# Altium PCB YarnControl_Mainboard_v1.5.PcbDoc (continued)
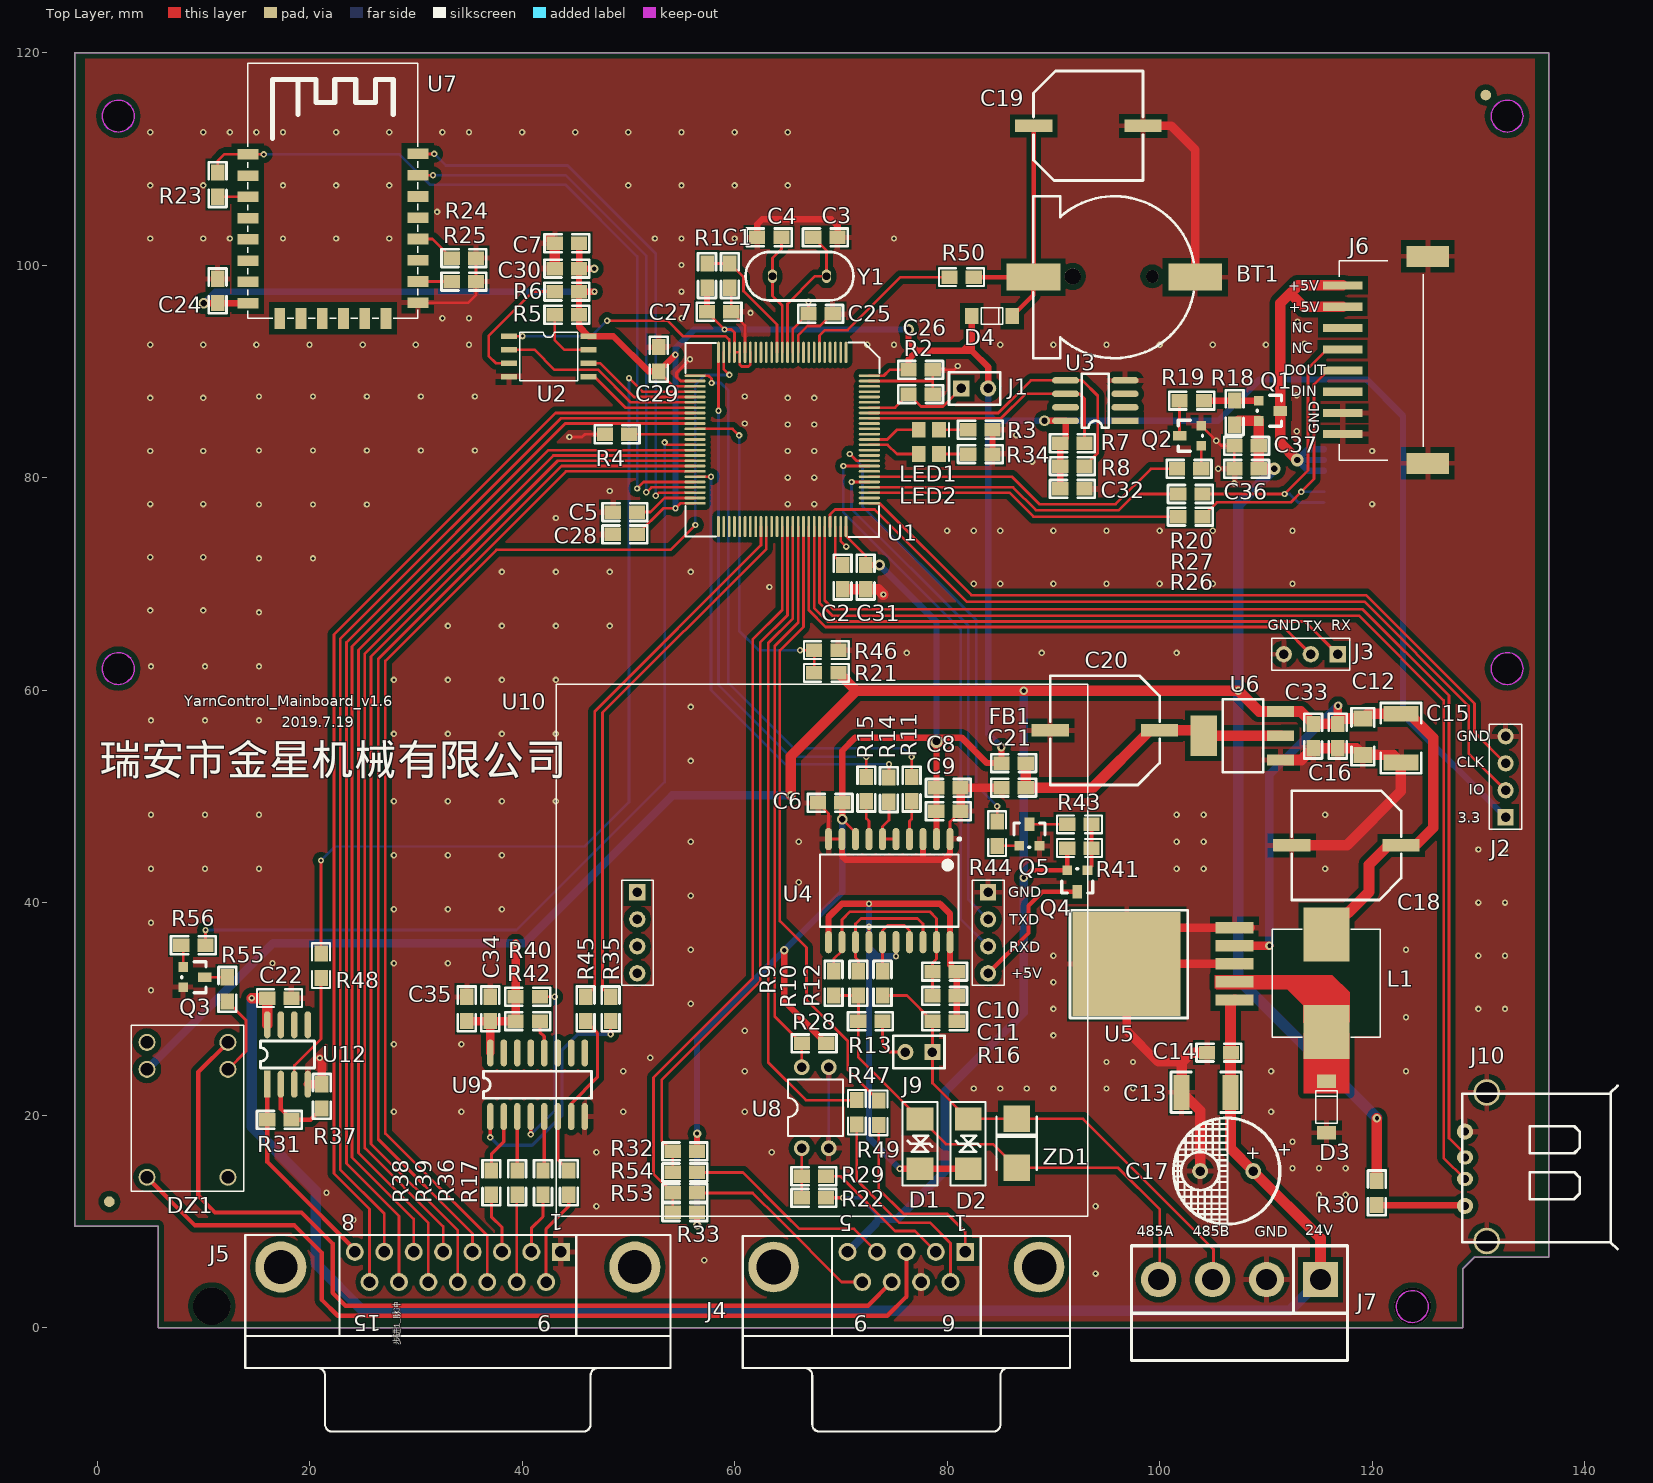
[diagram p0: Top Layer view]
## Via types
v1: diameter 0.6, hole 0.3, Top Layer to Bottom Layer, 284 vias
v2: diameter 0.8, hole 0.4, Top Layer to Bottom Layer, 12 vias
v3: diameter 1, hole 0.6, Top Layer to Bottom Layer, 5 vias
v4: diameter 1.2, hole 0.6, Top Layer to Bottom Layer, 2 vias
v5: diameter 1.27, hole 0.711, Top Layer to Bottom Layer, 1 vias

## Nets (pads, with @x,y where several pads share a name; then routed paths per layer and width w, separated by ;. In a path a pad name is that pad's centre, name@x,y a point inside that pad or via, vN(x,y) a via of type N, cw(c..) or ccw(c..) an arc to the next point about the centre after c; other vN are vias at no path point)
485_DE: R14.1 U1.45 | length 42.5
  Top Layer w0.254: U1.45 v1(57.784,80.085) ; R14.1 v1(74.53,53.016)
  Bottom Layer w0.254: v1(57.784,80.085) 57.784,60.022 64.789,53.016 v1(74.53,53.016)
485_RX: R11.1 U1.26 | length 55.5
  Top Layer w0.254: U1.26@55.461,89.585 U1.26 ; 57.29,89.585 U1.26 ; v1(57.836,88.9) 57.836,89.306 57.557,89.585 U1.26 ; R11.1@76.664,52.026 R11.1 v1(76.664,53.714)
  Bottom Layer w0.254: v1(57.836,88.9) 58.699,88.9 59.411,88.189 59.411,60.681 65.557,54.534 75.844,54.534 v1(76.664,53.714)
485_TX: R15.1 U1.25 | length 51.2
  Top Layer w0.254: v1(58.484,86.284) U1.25 U1.25@58.484,90.945 ; R15.1@71.984,52.07 R15.1@72.397,52.07 ; R15.1 R15.1@72.397,52.07 ; v1(72.397,53.721) R15.1@72.397,52.07
  Bottom Layer w0.254: v1(58.484,86.284) 58.484,60.49 65.253,53.721 v1(72.397,53.721)
+3.3V: C6.2 C7.2 C8.2 C9.2 C24.2 C25.2 C26.2 C27.2 C28.2 C29.2 C30.2 C31.2 C32.2 D4.1 FB1.2 J1.2 J2.1 R1.2 R5.1 R6.2 R7.2 R8.2 R28.1 R32.1 R33.1 U1.11 U1.19 U1.21 U1.22 U1.28 U1.50 U1.75 U1.100 U2.8 U3.8 U4.2 U4.8 U7.8 | length 407
  Top Layer w0.254: C28.2 53.289,77.114 v1(54.439,77.114) 54.909,77.585 U1.50 ; C29.2 54.265,88.585 U1.28 ; C27.2 57.404,95.587 v1(59.055,93.936) 59.683,93.936 59.984,93.635 U1.22 U1.21 60.484,90.621 60.655,90.449 61.29,90.449 61.484,90.643 U1.19 ; U1.11 65.484,93.983 C25.2@66.929,95.428 ; C25.2 v1(66.954,96.545) ; v3(70.129,47.854) 71.381,46.602 U4.8 ; 70.129,51.841 70.136,51.835 C6.2 ; U1.75 70.484,74.516 72.333,72.667 C31.2 ; U1.100 74.04,89.585 74.593,90.138 C26.2
  Top Layer w0.6: v3(10.033,96.418) C24.2 ; C24.2@11.355,96.418 U7.8 ; C30.2@45.364,99.67 C7.2 ; v2(46.787,99.663) C30.2 R6.2 ; v1(46.819,97.504) R6.2 ; 47.149,93.313 U2.8 ; v1(54.432,91.567) C29.2 51.892,89.992 48.571,93.313 U2.8 ; v2(56.464,9.627) R33.1 ; R32.1 v2(56.464,18.263) ; C27.2 R1.2 ; v2(64.669,35.51) 64.669,30.708 67.132,28.245 R28.1 ; v3(70.129,47.854) C6.2@70.129,49.391 ; C6.2 C6.2@70.129,49.391 ; C31.2 v3(73.641,71.774) ; C26.2 76.371,91.129 77.191,91.948 ; v3(76.371,93.936) 76.371,92.767 77.191,91.948 ; v5@78.994,55.538 v5@79.001,55.531 ; U4.2 v5@79.001,54.686 ; 81.483,91.948 82.321,92.786 ; D4.1 82.321,92.786 ; J1.2 83.864,90.405 82.321,91.948 ; v2(85.115,54.61) FB1.2 83.744,53.137 81.35,55.531 79.756,55.531 ; v3(89.161,85.337) U3.8 91.154,83.737 R7.2 R8.2 C32.2 ; R6.2 R5.1 45.358,94.218 U2.8 ; C6.2@70.129,49.391 70.129,51.841 70.129,54.305 71.355,55.531 78.156,55.531 ; 77.191,91.948 82.321,91.948 ; 78.156,55.531 v5@79.001,54.686 ; 78.156,55.531 v5@79.001,55.531 ; v5@79.001,54.686 v5(79.001,55.201) v5@79.001,55.531 ; v5@79.001,54.686 79.756,55.442 79.756,55.531 ; v5@79.001,55.531 79.756,55.531 ; 82.321,91.948 82.321,92.786
  Bottom Layer w0.254: 66.478,93.936 66.954,94.412 ; 66.954,93.936 66.954,94.412 ; v1(66.954,96.545) 66.954,94.412 ; 67.43,93.936 66.954,94.412
  Bottom Layer w0.6: v3(10.033,96.418) 11.119,97.504 v1(46.819,97.504) ; v1(54.439,77.114) 54.439,92.183 56.191,93.936 v1(59.055,93.936) 66.478,93.936 66.954,93.936 67.43,93.936 v3(76.371,93.936) ; v2(56.464,9.627) 56.464,27.305 70.129,40.97 v3(70.129,47.854) ; v3(73.641,71.774) 79.001,66.414 v5@79.001,55.531 ; J1.2 83.864,86.004 ; 83.947,85.337 84.531,85.337 ; v2(85.115,54.61) 83.864,55.861 83.864,84.67 ; J2.1 122.911,57.683 122.911,85.801 119.482,89.23 109.398,89.23 105.505,85.337 v3(89.161,85.337) 84.531,85.337 ; 83.864,84.67 84.531,85.337 ; 83.864,84.67 83.864,86.004 ; 83.864,86.004 84.531,85.337
+5V: C12.2 C15.2 C16.2 C18.1 C33.2 C34.2 C35.2 C36.2 C37.2 DZ1.2 J4.5 L1.1 Q1.S Q4.S R18.1 R21.2 R22.1 R30.1 R40.2 R41.1 R42.1 U5.4 U6.3 U9.16 | length 367.6
  Top Layer w0.3: R22.1 v1(70.206,12.217) ; Q4.S Q4.S@91.313,43.066
  Top Layer w0.4: v2(87.224,42.342) 87.935,43.053 Q4.S 91.3,45.123 R41.1
  Top Layer w0.8: C35.2 C34.2 ; U9.16 C34.2 ; v1(39.395,36.17) R40.2 R42.1 C34.2 ; U5.4 v2(110.338,35.941) ; C16.2@116.764,57.328 v2@116.764,58.496
  Top Layer w1: v2(65.278,50.089) 65.278,53.772 71.45,59.944 ; R21.2 71.45,59.944 ; R18.1 107.429,85.331 Q1.S C37.2 C36.2 v4(110.795,80.823) ; L1.1 119.71,40.996 119.71,43.561 121.539,45.39 C18.1 124.104,45.39 125.755,47.041 125.755,55.499 123.481,57.774 C15.2 119.572,57.774 C12.2 116.764,57.328 C16.2 C33.2 113.284,57.988 U6.3 109.372,57.988 v2(107.417,59.944) v2(87.224,59.944) 71.45,59.944 ; R30.1 v2(120.447,19.71)
  Bottom Layer w0.3: v1(70.206,12.217) 71.805,12.217 73.304,10.718 ; 73.304,9.805 73.304,10.718 ; 73.761,10.262 73.304,10.718
  Bottom Layer w0.8: DZ1.2 16.586,36.195 40.259,36.195 54.153,50.089 v2(65.278,50.089) ; J4.5 73.304,9.805 ; 73.761,10.262 75.362,10.262 79.781,14.681 79.781,22.2 87.224,29.642 v2(87.224,42.342) v2(87.224,59.944) ; v2(110.338,35.941) 110.338,52.07 v2(116.789,58.522)
  Bottom Layer w1: v4(110.795,80.823) 107.417,77.445 v2(107.417,59.944) 107.417,32.766 v2@120.459,19.723
+24V: C13.2 C14.2 C17.1 C22.2 J7.1 U5.1 U12.8 | length 159
  Top Layer w1: v1(14.554,31.013) C22.2 U12.8 ; U5.1 106.669,30.445 C13.2 106.669,16.877 C17.1 115.138,8.407 J7.1
  Bottom Layer w1: v1(14.554,31.013) 14.554,18.923 20.587,12.89 20.587,6.032 25.019,1.6 112.217,1.6 J7.1
ADC_POWER: R21.1 R46.2 U1.36 | length 32.7
  Top Layer w0.254: U1.36 59.814,84.585 v1(60.427,83.972) ; v1(66.167,63.754) R46.2 R21.1
  Bottom Layer w0.254: v1(60.427,83.972) 60.427,65.583 62.255,63.754 v1(66.167,63.754)
ANALOG_OUT1: J5.8 R31.1 U12.1 | length 29.7
  Top Layer w0.254: U12.1 R31.1 16.027,15.596 18.288,13.335
  Top Layer w0.4: U12.1 16.027,15.596 18.288,13.335 24.258,7.365 J5.8
BOOT0: J1.1 R2.1 U1.94 | length 10.4
  Top Layer w0.254: U1.94 75.104,86.585 R2.1 77.54,86.684 79.622,86.684 J1.1
BOOT1: R4.1 U1.37 | length 6.2
  Top Layer w0.254: R4.1@50.089,84.085 U1.37
CLOSE_SW: R28.2 U1.66 U8.4 | length 52.8
  Top Layer w0.254: U1.66 65.984,66.34 63.779,64.135 63.779,29.896 63.779,29.261 66.319,26.721 U8.4
CLOSE_SW_IN: J4.2 R29.2 | length 13.3
  Top Layer w0.254: R29.2 69.952,14.249 75.108,9.093 76.974,9.093 J4.2
DAC_OUT1: R48.2 U1.29 | length 86.6
  Top Layer w0.254: R48.2 v1(21.082,43.967) ; v1(50.063,89.357) 51.336,88.085 U1.29
  Bottom Layer w0.254: v1(21.082,43.967) 22.375,45.265 45.923,45.314 50.063,49.454 v1(50.063,89.357)
ENCODER_B: R32.2 R54.2 U1.64 | length 66.1
  Top Layer w0.254: R54.2 R32.2 53.137,17.628 53.137,23.317 62.408,32.588 62.408,64.465 64.984,67.041 U1.64
ENCODER_C: R33.2 R53.2 U1.63 | length 70.3
  Top Layer w0.254: R33.2 R53.2 52.375,14.478 52.375,23.546 61.697,32.868 61.697,64.749 64.484,67.536 U1.63
FLASH_SPI_MISO: U1.31 U2.2 | length 19.6
  Top Layer w0.254: U2.2 41.167,92.043 43.072,90.138 47.174,90.138 50.228,87.085 U1.31
FLASH_SPI_MOSI: U1.32 U2.5 | length 11.2
  Top Layer w0.254: U2.5 46.793,89.503 49.712,86.585 U1.32
FLASH_SPI_NSS: U1.23 U2.1 | length 23.3
  Top Layer w0.254: U2.1 v1(40.037,93.313) ; v1(48.006,94.767) 53.696,94.767 55.169,93.294 59.182,93.294 59.484,92.992 U1.23
  Bottom Layer w0.254: v1(40.037,93.313) 46.552,93.313 v1(48.006,94.767)
FLASH_SPI_SCK: U1.30 U2.6 | length 11.3
  Top Layer w0.254: U2.6 47.352,90.773 50.54,87.585 U1.30
GND: BT1.2 C1.1 C2.1 C3.2 C4.2 C5.2 C6.1 C7.1 C8.1 C9.1 C12.1 C13.1 C14.1 C15.1 C16.1 C17.2 C18.2 C19.2 C20.2 C21.1 C22.1 C24.1 C25.1 C26.1 C27.1 C28.1 C29.1 C30.1 C31.1 C32.1 C33.1 C34.1 C35.1 C36.1 C37.1 D3.1 J2.4 J3.3 J4.7 J5.1 J6.7 J6.8 J6.9 J6.10 J7.2 J8.8 J8.9 J8.10 J8.11 J8.12 J10.4 J10.5 J10.6 Q2.3 Q3.3 Q5.3 R2.2 R3.2 R4.2 R24.2 R25.2 R34.2 R37.2 R46.1 U1.10 U1.20 U1.27 U1.74 U1.99 U2.4 U3.4 U4.1 U4.3 U4.9 U4.10 U5.0 U5.3 U5.5 U6.1 U7.15 U8.2 U8.3 U9.8 U10.1 U12.4 | length 203.7
  Top Layer w0.254: U7.15 34.939,96.458 35.662,97.18 R25.2 R24.2 ; v1(44.45,83.82) 45.644,83.82 45.898,84.074 R4.2 ; v1(55.804,91.135) 54.534,89.865 54.534,89.484 54.933,89.085 U1.27 ; C1.1@59.69,97.726 C27.1 60.984,94.312 U1.20 U1.20@60.984,92.749 ; U1.10 65.984,93.391 66.853,94.259 68.047,94.259 C25.1@68.675,94.888 ; C6.1 68.841,48.394 U4.10 U4.9 ; U1.74 69.984,74.016 v1(70.5,73.5) ; U1.99 78.657,89.085 ; R2.2 C26.1 80.638,90.138 v1(81,90.5) ; U4.1 80.271,47.606 C9.1 ; Q2.3 105.816,82.982 C37.1 C36.1
  Top Layer w0.6: C4.2 62.122,103.829 62.611,104.318 69.088,104.318 69.691,103.715 C3.2 ; U4.9 70.111,44.393 70.46,44.044 79.731,44.044 80.271,44.584 U4.1 ; 77.731,44.062 U4.3 ; R34.2 R3.2
  Top Layer w0.8: U12.4 R37.2 21.158,25.171 v1(20.955,25.375) ; C9.1 C8.1 85.088,50.798 C21.1 ; U5.0 96.902,27.939 99.861,24.98 102.069,24.98 ; C19.2 101.092,113.106 103.353,110.846 BT1.2 ; U5.3 96.928,34.239 100.331,37.643 U5.5 U5.5@108.585,37.643
  Top Layer w1: C7.1@42.659,102.464 43.072,102.051 C30.1 ; C2.1 C31.1 73.512,69.488 v1(74,69) ; C17.2 103.814,20.404 C13.1 102.069,24.98 102.972,25.883 C14.1 ; U6.1 113.335,53.416 C33.1 118.491,54.534 C12.1 121.982,53.899 C15.1 122.707,50.47 117.627,45.39 C18.2
  Bottom Layer w0.254: U8.2 U8.3
  other v1: 93.98,5.08 57.15,6.35 24.13,10.16 46.99,11.43 93.98,11.43 115,12.5 117.5,12.5 21.59,12.7 112.5,15 115,15 117.5,15 46.99,16.51 63.5,16.51 112.5,17.5 27.94,20.32 34.29,20.32 49.53,20.32 60.96,20.32 110.49,20.32 82.5,22.5 85,22.5 87.5,22.5 90,22.5 95,22.5 97.5,22.5 49.53,24.13 60.96,24.13 110.49,24.13 123.19,24.13 95,25 97.5,25 52.07,25.4 27.94,26.67 34.29,26.67 90,27.5 60.96,27.94 123.19,29.21 90,30 130,30 132.5,30 55.88,30.48 5.08,31.75 90,32.5 16.51,34.29 27.94,34.29 33.02,34.29 90,35 130,35 132.5,35 55.88,35.56 123.19,35.56 5.08,38.1 27.94,39.37 33.02,39.37 38.1,39.37 130,40 132.5,40 55.88,40.64 66.04,41.91 5.08,43.18 10.16,43.18 15.24,43.18 101.6,43.18 104.14,43.18 115.57,43.18 27.94,44.45 33.02,44.45 38.1,44.45 130,45 132.5,45 55.88,45.72 66.04,45.72 101.6,45.72 104.14,45.72 5.08,48.26 10.16,48.26 15.24,48.26 101.6,48.26 104.14,48.26 115.57,48.26 27.94,49.53 33.02,49.53 38.1,49.53 43.18,49.53 55.88,53.34 27.94,55.88 33.02,55.88 38.1,55.88 43.18,55.88 5.08,57.15 10.16,57.15 15.24,57.15 55.88,58.42 27.94,60.96 33.02,60.96 38.1,60.96 43.18,60.96 5.08,62.23 10.16,62.23 15.24,62.23 76.2,63.5 88.9,63.5 101.6,63.5 33.02,66.04 38.1,66.04 43.18,66.04 48.26,66.04 15.24,67.31 5,67.5 10,67.5 63.271,69.698 82.5,70 85,70 90,70 95,70 100,70 105,70 112.5,70 38.1,71.12 43.18,71.12 48.26,71.12 55.88,71.12 15.24,72.39 20.32,72.39 5,72.5 10,72.5 80,75 82.5,75 85,75 90,75 95,75 100,75 105,75 112.5,75 43.18,76.2 15.24,77.47 20.32,77.47 25.4,77.47 5,77.5 10,77.5 65,77.5 67.5,77.5 120,77.5 48.26,78.74 107.036,79.451 65,80 67.5,80 105.512,80.823 88,81.5 5,82.5 10,82.5 65,82.5 67.5,82.5 120,82.5 15.24,82.55 20.32,82.55 25.4,82.55 30.48,82.55 35.56,82.55 105.326,83.473 86.5,84 112.903,84.353 65,85 67.5,85 60.96,85.09 5,87.5 10,87.5 65,87.5 67.5,87.5 15.24,87.63 20.32,87.63 25.4,87.63 30.48,87.63 35.56,87.63 60.96,87.63 112.903,87.732 5,92.5 10,92.5 15,92.5 20,92.5 25,92.5 30,92.5 35,92.5 72.5,92.5 75,92.5 85,92.5 90,92.5 95,92.5 100,92.5 105,92.5 110,92.5 113.64,92.608 112.979,94.666 32.5,95 35,95 55,95 61.5,95.5 55,97.5 55,100 5,102.5 10,102.5 12.5,102.5 17.5,102.5 22.5,102.5 27.5,102.5 52.5,102.5 55,102.5 60,102.5 75,102.5 32,105 5,107.5 10,107.5 17.5,107.5 22.5,107.5 27.5,107.5 50,107.5 55,107.5 60,107.5 65,107.5 5,112.5 10,112.5 12.5,112.5 15,112.5 17.5,112.5 22.5,112.5 27.5,112.5 32.5,112.5 35,112.5 40,112.5 45,112.5 50,112.5 55,112.5 60,112.5 65,112.5
GND-485: C10.1 C11.1 D1.1 D2.1 R16.1 U4.11 U4.14 U4.16 U4.20 | length 65.2
  Top Layer w0.254: U4.14 v1(72.651,37.738) ; v1(75.191,34.944) U4.16
  Top Layer w0.6: U4.11 68.841,38.64 70.104,39.903 79.324,39.903 80.271,38.957 U4.20 80.271,34.144 C10.1 C11.1 R16.1 ; v1(75.546,14.954) D1.1 D2.1
  Bottom Layer w0.6: 72.651,34.138 73.457,34.944 ; 72.651,35.75 73.457,34.944 ; v1(72.651,39.897) v1(72.651,37.738) 72.651,17.85 v1(75.546,14.954) ; 72.708,34.944 73.457,34.944 ; v1(75.191,34.944) 73.457,34.944
IIC1_SCL: R7.1 U1.92 U3.6 | length 25.6
  Top Layer w0.254: U1.92 85.077,85.585 87.369,87.877 U3.6 92.475,87.877 92.932,87.42 R7.1
IIC1_SDA: R8.1 U1.93 U3.5 | length 30.5
  Top Layer w0.254: U1.93 84.815,86.085 87.877,89.147 U3.5 92.729,89.147 94.177,87.7 94.177,82.328 R8.1
LCD_5V: J6.1 J6.2 J8.1 J8.2 J8.3 Q1.D | length 35.8
  Top Layer w1: v4(112.963,81.652) 111.354,83.261 Q1.D 111.354,96.418 112.293,97.358 ; J6.2 113.576,96.075 112.293,97.358 ; J6.1 113.017,98.082 112.293,97.358
  Bottom Layer w0.6: J8.3 113.963,80.652 v4(112.963,81.652) ; J8.2 v4(112.963,81.652) ; J8.1 113.963,82.652 v4(112.963,81.652)
LCD_POWER: R20.1 U1.81 | length 31.4
  Top Layer w0.254: U1.81 86.082,80.085 88.671,77.495 95.86,77.495 99.187,80.823 R20.1
LCD_RXD: R27.2 U1.79 | length 30.6
  Top Layer w0.254: U1.79 86.218,79.085 88.367,76.937 96.164,76.937 97.682,78.454 R27.2
LCD_TXD: R26.2 U1.78 | length 30
  Top Layer w0.254: U1.78 85.855,78.585 88.119,76.32 R26.2
LED1: LED1.1 U1.88 | length 5
  Top Layer w0.254: U1.88 74.365,83.585 75.279,84.499 LED1.1
LED2: LED2.1 U1.87 | length 5
  Top Layer w0.254: U1.87 74.407,83.085 75.279,82.213 LED2.1
NetBT1_1: BT1.1 C19.1 D4.2 R50.1 | length 24.4
  Top Layer w0.254: BT1.1 BT1.1@88.151,98.895
  Top Layer w0.4: R50.1 BT1.1 88.113,97.18 D4.2 ; BT1.1@88.151,98.895 C19.1
NetC2_2: C2.2 U1.73 | length 3.9
  Top Layer w0.254: U1.73 69.484,72.463 C2.2
NetC5_1: C5.1 U1.49 | length 6
  Top Layer w0.254: C5.1 52.095,76.759 53.421,78.085 U1.49
NetC20_1: C20.1 C21.2 FB1.1 U6.0 U6.2 | length 57.5
  Top Layer w0.8: FB1.1 C21.2 93.726,50.825 99.111,56.21 103.645,56.21 U6.0 U6.2
  Top Layer w1: FB1.1 C21.2 93.726,50.825 99.111,56.21 103.645,56.21 U6.0 U6.2
NetD3_2: D3.2 L1.2 U5.2
NetDZ1_5: DZ1.5 R55.2 | length 7.8
  Top Layer w0.254: R55.2 14.021,28.931 14.021,26.01 DZ1.5
NetJ4_4: J4.4 R54.1 | length 20
  Top Layer w0.254: R54.1 60.782,14.605 64.77,10.617 66.091,9.296 71.23,9.296 J4.4
NetJ4_9: J4.9 R53.1 | length 19
  Top Layer w0.254: R53.1 61.697,12.675 64.166,10.205 70.082,4.289 J4.9
NetJ6_4: J6.4 J8.6 R27.1 | length 28.5
  Top Layer w0.254: R27.1 v1(111.76,78.454) 113.97,80.664 113.97,90.272 115.76,92.062 J6.4
  Bottom Layer w0.254: v1(111.76,78.454) 112.243,78.454 113.045,77.652 J8.6
NetJ6_5: J6.5 J8.5 R26.1 | length 26.3
  Top Layer w0.254: R26.1 105.398,77.673 112.343,77.673 v1(113.322,78.652) 114.529,79.859 114.529,88.773 115.837,90.081 J6.5
  Bottom Layer w0.254: v1(113.322,78.652) J8.5
NetJ9_2: J9.2 R13.1 | length 4.7
  Top Layer w0.254: R13.1 73.921,26.613 74.6,25.933 J9.2
NetJ10_1: J10.1 R30.2 | length 8.3
  Top Layer w0.6: R30.2 J10.1@128.737,11.532
NetLED1_2: LED1.2 R3.1 | length 2.8
  Top Layer w0.254: LED1.2 R3.1
NetLED2_2: LED2.2 R34.1 | length 2.8
  Top Layer w0.254: LED2.2 R34.1
NetQ1_G: Q1.G R18.2 R19.2 | length 10.3
  Top Layer w0.254: R19.2 R18.2 109.309,87.249 Q1.G
  Top Layer w0.6: R19.2@104.178,87.236 107.061,87.236 Q1.G
NetQ2_1: Q2.1 R19.1 | length 3.3
  Top Layer w0.254: Q2.1 R19.1
NetQ2_2: Q2.2 R20.2 | length 2.2
  Top Layer w0.254: R20.2 Q2.2
NetQ3_1: Q3.1 R55.1 | length 2.1
  Top Layer w0.254: Q3.1 R55.1
NetQ3_2: Q3.2 R56.1 | length 1.9
  Top Layer w0.254: Q3.2 R56.1@8.103,35.814
NetQ4_G: Q4.G R41.2 R43.2 | length 6.2
  Top Layer w0.254: Q4.G@93.599,43.447 R41.2
  Top Layer w0.4: Q4.G 93.599,43.447 R41.2 R43.2
NetQ5_1: Q5.1 R43.1 | length 3.6
  Top Layer w0.254: Q5.1 R43.1
NetQ5_2: Q5.2 R44.2 | length 2.1
  Top Layer w0.254: R44.2 Q5.2
NetR5_2: R5.2 U2.7 | length 5.9
  Top Layer w0.254: R5.2 43.072,92.932 43.961,92.043 U2.7
NetR6_1: R6.1 U2.3 | length 12
  Top Layer w0.254: U2.3 37.522,90.773 36.855,91.44 36.855,93.32 41.04,97.504 R6.1
NetR10_1: R10.1 U4.13 U4.18 | length 13.1
  Top Layer w0.254: R10.1 71.66,34.551 71.381,34.83 U4.13 71.381,38.005 71.889,38.513 77.223,38.513 77.731,38.005 U4.18
NetR11_2: R11.2 U4.4 | length 3.6
  Top Layer w0.254: U4.4 76.461,47.657 76.664,47.86 R11.2
NetR12_1: R12.1 U4.15 U4.17 | length 7.9
  Top Layer w0.254: R12.1 U4.15 73.921,37.37 74.429,37.878 75.953,37.878 76.461,37.37 U4.17
NetR14_2: R14.2 U4.5 U4.6 | length 5
  Top Layer w0.254: R14.2 74.53,47.759 73.921,47.149 U4.6 U4.5
NetR15_2: R15.2 U4.7 | length 3.7
  Top Layer w0.254: R15.2 72.397,47.911 72.651,47.657 U4.7
NetR17_1: R17.1 U9.6 | length 5.5
  Top Layer w0.3: U9.6 43.358,15.824 R17.1
NetR22_2: R22.2 R29.1 U8.1 | length 4.7
  Top Layer w0.254: R22.2 R29.1 U8.1
NetR23_2: R23.2 U7.3 | length 2.8
  Top Layer w0.254: R23.2@11.362,106.418 U7.3
NetR24_1: R24.1 U7.18 | length 3.9
  Top Layer w0.254: U7.18 31.578,102.458 R24.1
NetR25_1: R25.1 U7.16 | length 3.1
  Top Layer w0.254: U7.16 R25.1@33.343,98.458
NetR31_2: R31.2 R37.1 U12.2 | length 14.1
  Top Layer w0.254: U12.2 17.297,20.574 R31.2 20.091,19.558 R37.1
  Top Layer w0.4: U12.2 17.297,20.574 R31.2 20.091,19.558 R37.1
NetR35_1: R35.1 U9.1 | length 22.8
  Top Layer w0.3: v1(37.008,17.907) U9.1 ; v1(48.336,27.61) R35.1
  Bottom Layer w0.3: v1(37.008,17.907) 37.744,17.17 40.945,17.17 43.764,19.99 43.764,26.137 45.237,27.61 v1(48.336,27.61)
NetR36_1: R36.1 U9.5 | length 5.1
  Top Layer w0.3: R36.1 42.088,14.901 U9.5
NetR38_1: R38.1 U9.2 | length 5.6
  Top Layer w0.3: R38.1 37.109,16.332 38.278,17.501 U9.2
NetR39_1: R39.1 U9.3 | length 5.1
  Top Layer w0.3: R39.1@39.548,14.791 U9.3
NetR40_1: R40.1 U9.4 | length 17
  Top Layer w0.254: R40.1 v1(43.078,31.14)
  Top Layer w0.3: v1(40.818,18.186) U9.4
  Bottom Layer w0.254: v1(40.818,18.186) 43.078,20.447 v1(43.078,31.14)
NetR42_2: R42.2 U9.12 | length 3.2
  Top Layer w0.3: R42.2 41.681,27.813 42.088,27.407 U9.12
NetR45_1: R45.1 U9.7 | length 10.5
  Top Layer w0.3: U9.7 44.628,21.082 47.092,23.546 47.092,27.737 R45.1
NetR48_1: R48.1 U12.3 | length 11
  Top Layer w0.254: U12.3 18.567,24.663 21.082,27.178 R48.1
NetR50_2: R50.2 U1.6 | length 16.1
  Top Layer w0.254: U1.6 67.984,93.359 68.504,93.878 70.637,93.878 75.616,98.857 R50.2
NRST: C1.2 R1.1 U1.14 | length 12.3
  Top Layer w0.254: R1.1 59.55,100.152 C1.2 60.833,98.869 60.833,97.548 63.984,94.397 U1.14
ONOFF: R47.1 U1.65 | length 61.2
  Top Layer w0.254: U1.65 65.484,66.754 63.17,64.44 63.17,24.968 66.726,21.412 R47.1
ONOFF1: R49.1 U1.67 | length 58.8
  Top Layer w0.254: U1.67 66.484,65.951 64.262,63.729 64.262,38.278 66.777,35.763 66.777,30.836 70.663,26.949 70.663,24.257 R49.1
OSC_IN: C3.1 U1.12 Y1.2 | length 13.5
  Top Layer w0.254: U1.12 64.984,96.353 67.583,98.952 Y1.2 68.65,101.365 C3.1
OSC_OUT: C4.1 U1.13 Y1.1 | length 11.6
  Top Layer w0.254: C4.1 64.408,101.492 63.57,100.654 Y1.1 63.57,97.098 64.484,96.183 U1.13
OUT_SERVO_PD+: J5.3 R38.2 | length 5.8
  Top Layer w0.3: R38.2 37.109,10.439 38.108,9.441 J5.3
OUT_SERVO_PD-: J5.10 R39.2 | length 8.2
  Top Layer w0.254: J5.10 39.493,12.451 R39.2
OUT_SERVO_PP+: J5.9 R17.2 | length 9.1
  Top Layer w0.3: J5.9 42.263,9.294 44.399,11.43 R17.2
OUT_SERVO_PP-: J5.2 R36.2 | length 5.8
  Top Layer w0.3: J5.2 40.878,9.357 41.969,10.448 R36.2
RELAY1: DZ1.6 J4.8 | length 88.8
  Top Layer w0.4: DZ1.6 9.525,24.054 9.525,12.421 11.1,10.846 19.253,10.846 22.174,7.925 22.174,3.277 23.393,2.057 72.552,2.057 J4.8
RELAY2: DZ1.3 J4.3 | length 84.4
  Top Layer w0.4: DZ1.3 9.22,9.627 18.567,9.627 21.158,7.036 21.158,2.616 22.657,1.118 74.371,1.118 76.168,2.914 J4.3
RELAY_CTR: R56.2 U1.39 | length 85.3
  Top Layer w0.254: R56.2 v1(10.211,37.414) ; v1(53.416,83.312) 53.643,83.085 U1.39
  Bottom Layer w0.254: v1(10.211,37.414) 39.472,37.414 53.416,51.359 v1(53.416,83.312)
RFID_5V: Q4.D U10.4 | length 13.1
  Top Layer w0.4: U10.4 87.655,37.146 87.655,39.7 88.976,41.021 Q4.D
RFID_POWER: R44.1 U1.84 | length 42.4
  Top Layer w0.254: v1(70.841,82.22) 71.476,81.585 U1.84 ; R44.1 v1(84.709,49.073)
  Bottom Layer w0.254: v1(70.841,82.22) 72.034,81.026 72.034,77.292 82.753,66.573 82.753,51.029 v1(84.709,49.073)
RFID_RXD: U1.83 U10.3 | length 53.3
  Top Layer w0.254: v1(70.239,81.085) U1.83
  Bottom Layer w0.254: v1(70.239,81.085) 70.239,76.725 81.28,65.684 81.28,38.47 U10.3
RFID_TXD: U1.80 U10.2 | length 48.1
  Top Layer w0.254: v1(71.012,79.585) U1.80
  Bottom Layer w0.254: v1(71.012,79.585) 71.012,77.045 81.991,66.065 81.991,40.299 U10.2
RS485_A: D1.2 J7.4 R9.1 R10.2 R13.2 ZD1.1 | length 49
  Top Layer w0.254: R9.1 R10.2 R13.2@71.66,28.836 ; R13.2 71.635,25.471 D1.2 ; D1.2@77.477,19.679 79.884,17.272 84.314,17.272 ZD1.1 96.102,15.048 100,11.151 J7.4@100,4.521
RS485_B: D2.2 J7.3 J9.1 R12.2 R16.2 ZD1.2 | length 48.4
  Top Layer w0.254: R12.2 76.207,31.249 R16.2 78.62,23.007 D2.2 92.792,19.654 105.08,7.366 J7.3@105.08,4.521 ; J7.3@105.08,5.309 J7.3@105.867,4.521
SERVO_MOTOR_EN1: J4.6 R47.2 | length 20.2
  Top Layer w0.254: R47.2 71.501,13.868 75.489,9.881 78.384,9.881 80.323,7.942 J4.6
SERVO_MOTOR_EN2: J4.1 R49.2 | length 18
  Top Layer w0.254: R49.2 73.558,13.056 75.895,10.719 79.985,10.719 81.708,8.995 J4.1
  Top Layer w0.4: J4.1 J4.1@81.708,7.421
SERVO_PD: R35.2 U1.60 | length 50.9
  Top Layer w0.254: R35.2 47.574,31.902 47.574,57.887 62.984,73.296 U1.60
SERVO_PP: R45.2 U1.59 | length 51.1
  Top Layer w0.254: R45.2 46.838,32.004 46.838,57.988 62.484,73.635 U1.59
STEP_MOTOR1_CP: J5.14 U1.35 | length 103.6
  Top Layer w0.254: J5.14 28.413,10.5 23.47,15.443 23.47,64.491 44.064,85.085 U1.35
STEP_MOTOR1_DIR: J5.7 U1.34 | length 101.4
  Top Layer w0.254: J5.7 27.028,10.75 22.885,14.892 22.885,64.795 43.675,85.585 U1.34
STEP_MOTOR1_EN: J5.15 U1.33 | length 104.9
  Top Layer w0.254: J5.15 25.643,11.161 22.301,14.503 22.301,65.227 43.159,86.085 U1.33
STEP_MOTOR2_CP: J5.5 U1.42 | length 98
  Top Layer w0.254: J5.5 32.568,9.52 25.197,16.891 25.197,63.424 43.358,81.585 U1.42
STEP_MOTOR2_DIR: J5.13 U1.41 | length 101.5
  Top Layer w0.254: J5.13 31.183,9.863 24.613,16.434 24.613,63.754 42.943,82.085 U1.41
STEP_MOTOR2_EN: J5.6 U1.40 | length 99.3
  Top Layer w0.254: J5.6 29.798,10.221 24.003,16.017 24.003,64.084 42.504,82.585 U1.40
STEP_MOTOR3_CP: J5.11 U1.24 | length 116
  Top Layer w0.254: J5.11 36.723,8.667 27.127,18.263 27.127,62.738 37.592,73.203 53.975,73.203 v1(56.312,75.54) ; U1.24 58.984,90.19 v1(59.512,89.662)
  Bottom Layer w0.254: v1(56.312,75.54) 56.312,88.748 57.226,89.662 v1(59.512,89.662)
STEP_MOTOR3_DIR: J5.4 U1.44 | length 96.6
  Top Layer w0.254: J5.4 35.338,8.858 26.467,17.729 26.467,62.916 44.136,80.585 U1.44
STEP_MOTOR3_EN: J5.12 U1.43 | length 100.2
  Top Layer w0.254: J5.12 33.953,9.125 25.781,17.297 25.781,63.14 43.726,81.085 U1.43
SWCLK: J2.3 U1.76 | length 71.6
  Top Layer w0.254: U1.76 73.647,77.585 82.296,68.936 119.431,68.936 129.642,58.725 129.642,56.032 J2.3
SWDIO: J2.2 U1.72 | length 78.5
  Top Layer w0.254: U1.72 68.984,76.528 69.444,76.987 73.177,76.987 81.839,68.326 119.278,68.326 129.083,58.522 129.083,54.051 J2.2
UART1_RX: J3.1 U1.69 | length 58.7
  Top Layer w0.254: U1.69 67.484,67.72 68.758,66.446 112.319,66.446 113.69,66.446 J3.1
UART1_TX: J3.2 U1.68 | length 56.8
  Top Layer w0.254: U1.68 66.984,67.513 68.551,65.946 110.693,65.946 111.65,65.946 J3.2
USB_DM: J10.2 U1.70 | length 115.6
  Top Layer w0.254: U1.70 67.984,68.211 69.19,67.005 118.745,67.005 126.729,59.022 126.729,15.978 J10.2@128.737,13.97
USB_DP: J10.3 U1.71 | length 113.5
  Top Layer w0.254: U1.71 68.484,68.418 69.295,67.607 119.105,67.607 127.229,59.483 127.229,17.833 J10.3@128.956,16.106
V485: C10.2 C11.2 R9.2 U4.12 U4.19 | length 22.1
  Top Layer w0.254: R9.2 69.323,34.678 70.111,35.465 U4.12 70.111,38.386 70.873,39.148 78.366,39.148 79.001,38.513 U4.19 79.001,34.703 78.62,34.322 C10.2 C11.2
WIFI_EN: R23.1 U1.46 U7.1 | length 72.4
  Top Layer w0.254: R23.1 11.354,109.804 11.967,110.418 U7.1 v1(15.693,110.418) ; v1(50.825,78.969) 51.442,79.585 U1.46
  Bottom Layer w0.254: v1(15.693,110.418) 28.47,110.418 31.33,107.557 44.081,107.557 50.825,100.813 v1(50.825,78.969)
WIFI_RXD: U1.48 U7.22 | length 52.9
  Top Layer w0.254: U7.22 v1(31.743,110.458) ; v1(52.578,78.283) 52.88,78.585 U1.48
  Bottom Layer w0.254: v1(31.743,110.458) 32.828,109.372 44.298,109.372 52.578,101.092 v1(52.578,78.283)
WIFI_TXD: U1.47 U7.21 | length 51.7
  Top Layer w0.254: U7.21 v1(31.623,108.458) ; v1(51.689,78.613) 52.161,79.085 U1.47
  Bottom Layer w0.254: v1(31.623,108.458) 44.069,108.458 51.689,100.838 v1(51.689,78.613)
pads on no net: BT1.0 DZ1.1 DZ1.4 J4.10 J4.11 J5.16 J5.17 J6.3 J6.6 J8.4 J8.7 U1.0 U1.1 U1.2 U1.3 U1.4 U1.5 U1.7 U1.8 U1.9 U1.15 U1.16 U1.17 U1.18 U1.38 U1.51 U1.52 U1.53 U1.54 U1.55 U1.56 U1.57 U1.58 U1.61 U1.62 U1.77 U1.82 U1.85 U1.86 U1.89 U1.90 U1.91 U1.95 U1.96 U1.97 U1.98 U3.1 U3.2 U3.3 U3.7 U7.2 U7.4 U7.5 U7.6 U7.7 U7.9 U7.10 U7.11 U7.12 U7.13 U7.14 U7.17 U7.19 U7.20 U9.9 U9.10 U9.11 U9.13 U9.14 U9.15 U10.5 U10.6 U10.7 U10.8 U12.5 U12.6 U12.7

## Polygon pours and split planes (outlines as drawn)
GND on Top Layer "Top Layer-No Net" (solid, remove dead copper, pour order 1000): -1.118,120 -1.092,119.975 -1.092,0.356 135.026,0.356 135.306,0.635 135.306,119.913
GND on Bottom Layer "Top Layer-No Net" (solid, remove dead copper, pour order 1001): -1.397,119.685 -1.397,-0.229 -1.168,-0.457 135.814,-0.457 135.814,119.685

## Keep-outs
Keep-Out Layer:
  circle w0.127: c132.7,62.019 r1.5
  circle w0.127: c132.7,114.019 r1.5
  circle w0.127: c2,114.019 r1.5
  circle w0.127: c2,62.019 r1.5
  circle w0.127: c123.773,1.981 r1.5
  lines w0.127: -2.118,9.55 5.74,9.55 5.74,0 128.549,0 128.549,5.537 129.616,6.604 136.636,6.604 136.636,120 -2.118,120 -2.118,9.55

## Other copper
Top Layer:
  rectangle net NetD3_2: 113.538,22.047 117.856,27.711
  region net NetD3_2: 105.207,33.172 105.207,31.953 105.308,31.852 111.989,31.852 113.513,30.328 113.513,28.677 117.78,28.677 117.881,28.778 117.881,31.547 116.256,33.172
  pour cut-out: 110.592,37.592 110.592,27.432 120.752,27.432 120.752,37.592

## Silkscreen, mask and mechanical layers (free items; w line width, h text height)
Top Overlay:
  text "+5V" at 112.116,97.587 h1
  text "+5V" at 112.166,95.58 h1
  text "NC" at 112.42,93.624 h1
  text "NC" at 112.446,91.694 h1
  text "DOUT" at 111.709,89.637 h1
  text "DIN" at 112.344,87.63 h1
  text "GND" at 115.035,84.099 h1 r90
  text "GND" at 110.16,65.634 h1
  text "RX" at 116.129,65.608 h1
  text "TX" at 113.563,65.557 h1
  text "YarnControl_Mainboard_v1.6" at 8.204,58.496 h1
  text "2019.7.19" at 17.374,56.49 h1
  text "GND" at 127.965,55.169 h1
  text "CLK" at 127.965,52.756 h1
  text "瑞安市金星机械有限公司" at 0.203,51.054 h5
  text "IO" at 129.108,50.165 h1
  text "3.3" at 128.067,47.523 h1
  text "GND" at 85.75,40.513 h1
  text "TXD" at 85.852,37.922 h1
  text "RXD" at 85.843,35.333 h1
  text "+5V" at 86.03,32.893 h1
  text "24V" at 113.69,8.687 h1
  text "485A" at 97.841,8.585 h1
  text "485B" at 103.124,8.585 h1
  text "GND" at 108.966,8.56 h1
  text "步进1_脉冲" at 28.727,-1.676 h1 r90

## Dimensions
-2.118,120 to 0,0 on Top Overlay
0,0 to 134.7,0 on Top Overlay

## Text inside footprints (layer, text, board x,y; h text height)
C17: Top Overlay "+" at 109.525,16.942 h1.27 r180; Top Overlay "+" at 112.497,17.272 h1.27 r180; Bottom Overlay "+" at 108.603,13.43 h1.02 r180
J4: Top Overlay "1" at 81.958,10.584 h1.5 r180; Top Overlay "5" at 71.128,10.584 h1.5 r180; Top Overlay "9" at 72.513,1.184 h1.5 r180; Top Overlay "6" at 80.823,1.184 h1.5 r180
J5: Top Overlay "1" at 43.898,10.684 h1.5 r180; Top Overlay "8" at 24.301,10.684 h1.5 r180; Top Overlay "15" at 26.768,1.184 h1.5 r180; Top Overlay "9" at 42.763,1.184 h1.5 r180